# KiCad board GanJing 65 rev 2 hotswap-rounded.kicad_pcb (continued)
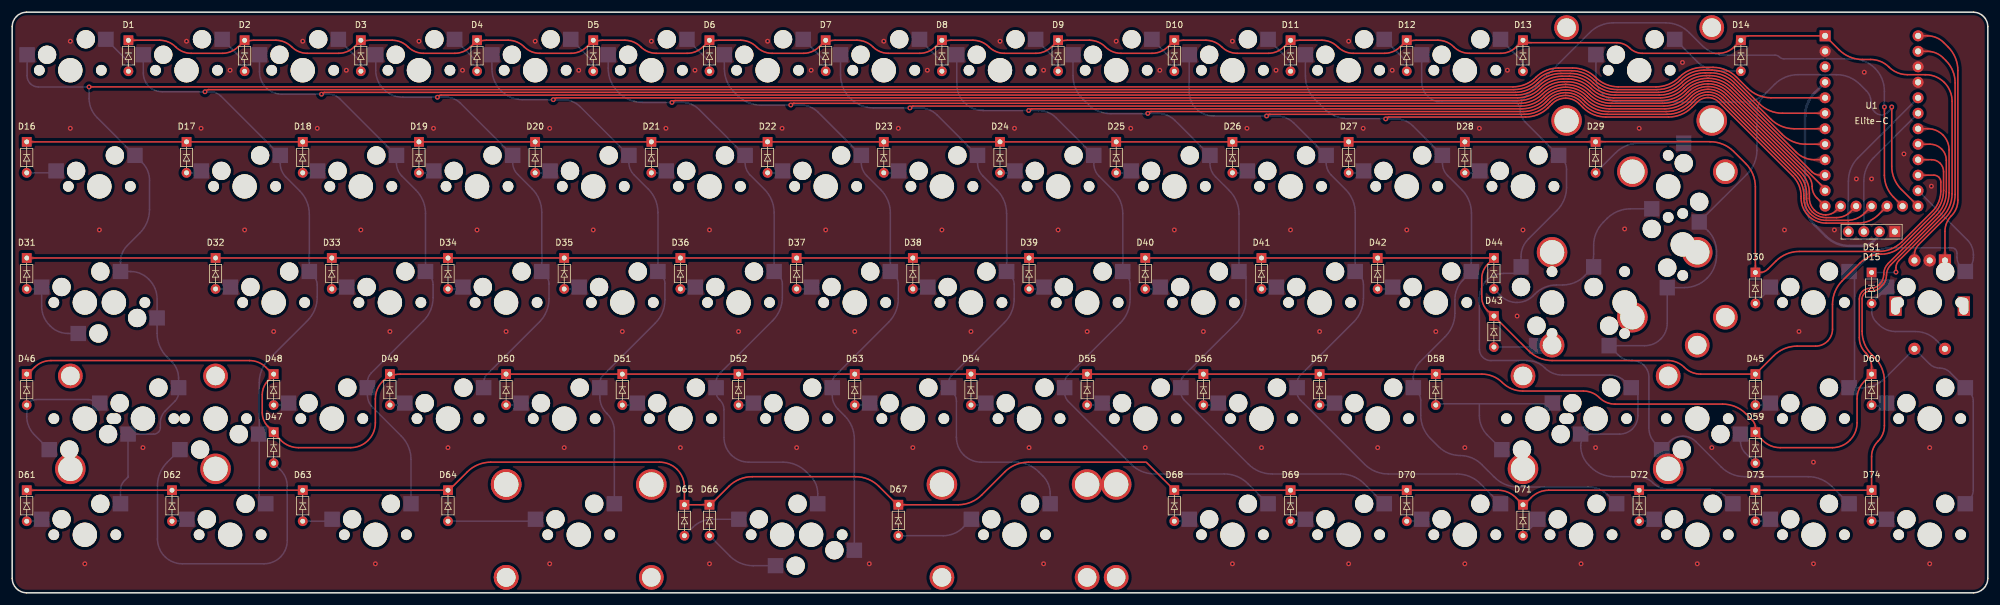
[diagram p0: board, top side]
## Routing (per net, layer and track width the routed paths; a pad name or vN(x,y) marks a point on that pad's centre or on a via; arc(x,y) is an arc through that point) (continued)
col_3: length 346.1
  Top w0.25: v1(50.7,81.8) 50.85,81.95 arc(51.02,82.06) 51.21,82.1 246.38,82.1 arc(248.41,82.5) 250.12,83.65 arc(251.84,84.8) 253.86,85.2 255.44,85.2 arc(257.46,84.8) 259.18,83.65 arc(260.89,82.5) 262.92,82.1 269.82,82.1 arc(271.9,82.51) 273.67,83.69 273.68,83.71 arc(275.44,84.89) 277.53,85.3 278.43,85.3 arc(280.51,84.89) 282.28,83.71 288.26,77.72 arc(290.02,76.54) 292.11,76.13 U1.7
  Bottom w0.25: 67.75,53.59 67.75,62.24 arc(67.34,64.32) 66.16,66.09 63.87,68.38 arc(63.22,69.35) 62.99,70.51 arc(62.76,71.66) 62.11,72.64 53.74,81.01 arc(52.86,81.59) 51.82,81.8 v1(50.7,81.8) 44.22,81.8 arc(42.81,82.08) 41.62,82.88 arc(40.82,84.07) 40.54,85.48 MX3.1 ; 65.37,14.6 65.37,21.87 arc(64.96,23.96) 63.78,25.72 59.07,30.43 arc(58.45,31.36) 58.23,32.46 58.23,32.77 ; 58.23,34.54 arc(58.39,35.36) 58.86,36.06 67.41,44.61 arc(68.59,46.37) 69,48.45 69,50.58 arc(68.84,51.39) 68.38,52.08
col_4: length 307.3
  Top w0.25: U1.8 294.01,73.59 arc(291.93,74) 290.16,75.18 282.09,83.26 arc(280.33,84.44) 278.24,84.85 277.71,84.85 arc(275.63,84.44) 273.87,83.26 273.85,83.24 arc(272.09,82.06) 270.01,81.65 262.73,81.65 arc(260.71,82.05) 258.99,83.2 arc(257.27,84.35) 255.25,84.75 254.05,84.75 arc(252.03,84.35) 250.31,83.2 arc(248.59,82.05) 246.57,81.65 70.3,81.65 arc(70.07,81.6) 69.87,81.47 v1(69.7,81.3)
  Bottom w0.25: 86.8,53.55 86.8,62.44 arc(86.39,64.52) 85.21,66.29 82.85,68.65 arc(82.25,69.55) 82.04,70.61 arc(81.83,71.67) 81.23,72.57 73.49,80.31 arc(72.39,81.04) 71.1,81.3 v1(69.7,81.3) 64.03,81.3 arc(62.33,81.64) 60.89,82.6 arc(59.93,84.04) 59.59,85.74 MX4.1 ; 87.4,52.11 arc(87.84,51.45) 88,50.66 88,48.25 arc(87.59,46.17) 86.41,44.41 77.85,35.85 arc(77.43,35.22) 77.28,34.47
col_5: length 308.2
  Top w0.25: v1(88.7,80.9) 88.85,81.05 arc(89.02,81.16) 89.21,81.2 246.75,81.2 arc(248.78,81.6) 250.5,82.75 arc(252.21,83.9) 254.24,84.3 255.06,84.3 arc(257.09,83.9) 258.8,82.75 arc(260.52,81.6) 262.55,81.2 270.19,81.2 arc(272.27,81.61) 274.04,82.79 274.05,82.81 arc(275.82,83.99) 277.9,84.4 278.06,84.4 arc(280.14,83.99) 281.9,82.81 292.42,72.29 arc(293.79,71.37) 295.42,71.05 U1.9
  Bottom w0.25: 96.33,32.91 96.33,32.12 arc(96.61,30.69) 97.42,29.49 97.52,29.38 arc(98.4,28.07) 98.71,26.51 98.71,14.6 ; 105.85,53.51 105.85,62.39 arc(105.44,64.47) 104.26,66.24 101.92,68.58 arc(101.31,69.5) 101.09,70.58 arc(100.88,71.67) 100.26,72.58 93.09,79.75 arc(91.82,80.6) 90.32,80.9 v1(88.7,80.9) 83.68,80.9 arc(81.75,81.28) 80.12,82.38 arc(79.02,84.01) 78.64,85.94 MX5.1 ; 96.33,34.41 arc(96.47,35.1) 96.86,35.69 105.41,44.23 arc(106.59,46) 107,48.08 107,50.75 arc(106.85,51.5) 106.43,52.13
col_6: length 301.4
  Top w0.25: U1.10 296.37,68.51 arc(295.63,68.66) 294.99,69.08 281.64,82.43 arc(279.96,83.56) 277.98,83.95 arc(276,83.56) 274.31,82.43 274.23,82.34 arc(272.46,81.16) 270.38,80.75 262.36,80.75 arc(260.33,81.15) 258.62,82.3 arc(256.9,83.45) 254.88,83.85 254.42,83.85 arc(252.4,83.45) 250.68,82.3 arc(248.97,81.15) 246.94,80.75 108.66,80.75 arc(108.47,80.71) 108.3,80.6 v1(108.15,80.45)
  Bottom w0.25: MX6.1 97.69,86.03 arc(98.1,83.97) 99.27,82.23 99.45,82.04 arc(101.22,80.86) 103.3,80.45 v1(108.15,80.45) 109.8,80.45 arc(111.32,80.14) 112.62,79.28 119.29,72.6 arc(119.92,71.66) 120.14,70.56 arc(120.36,69.45) 120.99,68.51 123.31,66.19 arc(124.49,64.42) 124.9,62.34 MX36.1 ; 132.05,14.6 132.05,16.29 arc(131.74,17.84) 130.86,19.16 130.18,19.84 arc(128.42,21.02) 126.33,21.43 120.75,21.43 arc(119.19,21.74) 117.87,22.62 arc(116.99,23.94) 116.68,25.5 116.68,30.04 arc(116.51,30.89) 116.03,31.61 115.87,31.76 arc(115.51,32.31) 115.38,32.96 ; 125.65,52.1 arc(126.09,51.44) 126.25,50.65 126.25,48.5 arc(125.84,46.42) 124.66,44.66 115.99,35.99 arc(115.54,35.31) 115.38,34.52
col_7: length 280.1
  Top w0.25: 297.18,66.26 281.33,82.11 arc(279.79,83.14) 277.98,83.5 arc(276.17,83.14) 274.63,82.11 274.41,81.89 arc(272.65,80.71) 270.56,80.3 262.17,80.3 arc(260.15,80.7) 258.43,81.85 arc(256.71,83) 254.69,83.4 254.61,83.4 arc(252.59,83) 250.87,81.85 arc(249.15,80.7) 247.13,80.3 128.1,80.3 arc(127.91,80.26) 127.76,80.16 v1(127.62,80.02)
  Bottom w0.25: MX37.1 143.95,62.29 arc(143.54,64.37) 142.36,66.14 140.06,68.44 arc(139.42,69.4) 139.19,70.53 arc(138.97,71.66) 138.33,72.62 132.09,78.86 arc(130.8,79.72) 129.27,80.02 v1(127.62,80.02) 127.61,80.01 arc(127.6,80) 127.58,80 122.75,80 arc(120.67,80.41) 118.9,81.59 118.33,82.16 arc(117.15,83.93) 116.74,86.01 MX7.1 ; 134.43,32.91 134.43,32.36 arc(134.67,31.17) 135.34,30.16 136.46,29.04 arc(137.64,27.27) 138.05,25.19 MX66.1 ; 134.43,34.41 arc(134.57,35.1) 134.96,35.69 143.66,44.38 arc(144.84,46.15) 145.25,48.23 145.25,50.65 arc(145.09,51.44) 144.65,52.1
col_8: length 265
  Top w0.25: v1(147.15,79.55) 147.3,79.7 arc(147.47,79.81) 147.66,79.85 247.31,79.85 arc(249.34,80.25) 251.05,81.4 251.16,81.5 arc(252.76,82.57) 254.65,82.95 arc(256.54,82.57) 258.14,81.5 258.25,81.4 arc(259.96,80.25) 261.99,79.85 270.75,79.85 arc(272.83,80.26) 274.6,81.44 274.95,81.8 arc(276.34,82.72) 277.98,83.05 arc(279.62,82.72) 281.01,81.8 294.27,68.53 arc(294.85,67.67) 295.05,66.66 arc(295.25,65.64) 295.83,64.78 U1.12
  Bottom w0.25: 163,53.59 163,62.24 arc(162.59,64.32) 161.41,66.09 159.12,68.38 arc(158.47,69.35) 158.24,70.51 arc(158.01,71.66) 157.36,72.64 151.62,78.38 arc(150.32,79.24) 148.8,79.55 v1(147.15,79.55) 141.18,79.55 arc(139.12,79.96) 137.37,81.13 arc(136.2,82.87) 135.79,84.94 MX8.1 ; 170.15,14.6 170.15,16.29 arc(169.84,17.84) 168.96,19.16 168.28,19.84 arc(166.52,21.02) 164.43,21.43 158.85,21.43 arc(157.29,21.74) 155.97,22.62 arc(155.09,23.94) 154.78,25.5 154.78,31.43 arc(154.61,32.28) 154.13,33 ; 153.48,34.41 arc(153.62,35.1) 154.01,35.69 162.66,44.33 arc(163.84,46.1) 164.25,48.18 164.25,50.58 arc(164.09,51.39) 163.63,52.08
col_9: length 261.7
  Top w0.25: U1.25 299,62.72 arc(298.21,62.19) 297.28,62 297.25,62 arc(296.28,62.19) 295.46,62.74 295.4,62.8 arc(294.81,63.69) 294.6,64.73 294.6,65.58 arc(294.24,67.42) 293.2,68.97 280.69,81.48 arc(279.45,82.31) 277.98,82.6 arc(276.51,82.31) 275.27,81.48 274.78,80.99 arc(273.02,79.81) 270.94,79.4 261.8,79.4 arc(259.78,79.8) 258.06,80.95 257.82,81.19 arc(256.37,82.16) 254.65,82.5 arc(252.93,82.16) 251.48,81.19 251.24,80.95 arc(249.52,79.8) 247.5,79.4 167.1,79.4 arc(166.91,79.36) 166.76,79.26 v1(166.62,79.12)
  Bottom w0.25: 182.05,53.55 182.05,62.19 arc(181.64,64.27) 180.46,66.04 178.19,68.31 arc(177.53,69.3) 177.29,70.48 arc(177.06,71.66) 176.39,72.66 171.09,77.96 arc(169.8,78.82) 168.27,79.12 v1(166.62,79.12) 159.16,79.12 arc(157.51,79.45) 156.11,80.39 arc(155.17,81.79) 154.84,83.44 MX9.1 ; 205.87,14.6 202.57,17.91 arc(200.8,19.09) 198.72,19.5 187.25,19.5 arc(185.17,19.91) 183.41,21.09 173.13,31.37 arc(172.68,32.03) 172.53,32.81 ; 172.53,34.41 arc(172.67,35.1) 173.06,35.69 181.66,44.28 arc(182.84,46.05) 183.25,48.13 183.25,50.66 arc(183.09,51.45) 182.65,52.11
col_10: length 244.6
  Top w0.25: v1(186.15,78.65) 186.3,78.8 arc(186.47,78.91) 186.66,78.95 247.69,78.95 arc(249.71,79.35) 251.43,80.5 251.8,80.87 arc(253.1,81.74) 254.65,82.05 arc(256.2,81.74) 257.5,80.87 257.87,80.5 arc(259.59,79.35) 261.61,78.95 271.12,78.95 arc(273.21,79.36) 274.97,80.54 275.59,81.16 arc(276.68,81.89) 277.98,82.15 arc(279.28,81.89) 280.37,81.16 292.75,68.79 arc(293.79,67.23) 294.15,65.4 294.15,64.73 arc(294.39,63.51) 295.08,62.48 arc(296.11,61.79) 297.33,61.55 299.05,61.55 arc(300.28,61.79) 301.32,62.49 U1.26
  Bottom w0.25: 202.25,51.75 202.25,48.08 arc(201.84,46) 200.66,44.23 192.11,35.69 arc(191.72,35.1) 191.58,34.41 ; 224.92,14.6 221.62,17.91 arc(219.85,19.09) 217.77,19.5 206.5,19.5 arc(204.42,19.91) 202.66,21.09 192.1,31.65 arc(191.72,32.23) 191.58,32.91 ; MX10.1 173.89,84.86 arc(174.3,82.78) 175.48,81.01 176.3,80.19 arc(178.07,79.01) 180.15,78.6 186.07,78.6 arc(186.1,78.61) 186.12,78.62 v1(186.15,78.65) 187.8,78.65 arc(189.32,78.34) 190.62,77.48 195.42,72.67 arc(196.1,71.66) 196.34,70.46 arc(196.58,69.26) 197.26,68.24 199.51,65.99 arc(200.69,64.22) 201.1,62.14 MX40.1
col_11: length 229.7
  Top w0.25: v1(205.62,78.22) 205.76,78.36 arc(205.91,78.46) 206.1,78.5 247.87,78.5 arc(249.9,78.9) 251.61,80.05 252.11,80.55 arc(253.28,81.33) 254.65,81.6 arc(256.02,81.33) 257.19,80.55 257.69,80.05 arc(259.4,78.9) 261.43,78.5 271.31,78.5 arc(273.39,78.91) 275.16,80.09 275.9,80.84 arc(276.86,81.48) 277.98,81.7 arc(279.1,81.48) 280.06,80.84 292.3,68.6 arc(293.34,67.05) 293.7,65.21 293.7,64.73 arc(293.98,63.34) 294.76,62.16 arc(295.94,61.38) 297.33,61.1 300.82,61.1 arc(302.34,61.4) 303.63,62.26 U1.27
  Bottom w0.25: 243.97,14.6 240.67,17.91 arc(238.9,19.09) 236.82,19.5 225.54,19.5 arc(223.46,19.91) 221.69,21.09 211.16,31.62 arc(210.77,32.21) 210.63,32.91 ; MX11.1 192.94,82.2 arc(193.24,80.68) 194.11,79.39 arc(195.4,78.53) 196.92,78.22 v1(205.62,78.22) 207.27,78.22 arc(208.8,77.92) 210.09,77.06 214.54,72.6 arc(215.17,71.66) 215.39,70.56 arc(215.61,69.45) 216.24,68.51 218.56,66.19 arc(219.74,64.42) 220.15,62.34 MX41.1 ; 220.9,52.1 arc(221.34,51.44) 221.5,50.65 221.5,48.28 arc(221.09,46.2) 219.91,44.43 211.16,35.69 arc(210.77,35.1) 210.63,34.41
col_12: length 212.6
  Top w0.25: v1(225.15,77.75) 225.3,77.9 arc(225.47,78.01) 225.66,78.05 248.06,78.05 arc(250.08,78.45) 251.8,79.6 252.43,80.23 arc(253.45,80.91) 254.65,81.15 arc(255.85,80.91) 256.87,80.23 257.5,79.6 arc(259.22,78.45) 261.24,78.05 271.5,78.05 arc(273.58,78.46) 275.34,79.64 276.22,80.52 arc(277.03,81.06) 277.98,81.25 arc(278.93,81.06) 279.74,80.52 291.85,68.41 arc(292.89,66.86) 293.25,65.03 293.25,64.73 arc(293.56,63.17) 294.45,61.85 arc(295.77,60.96) 297.33,60.65 302.59,60.65 arc(304.41,61.01) 305.95,62.04 U1.28
  Bottom w0.25: MX12.1 211.99,84.76 arc(212.4,82.68) 213.58,80.91 215.1,79.39 arc(216.87,78.21) 218.95,77.8 225.06,77.8 arc(225.09,77.79) 225.12,77.77 v1(225.15,77.75) 226.8,77.75 arc(228.32,77.44) 229.62,76.58 233.58,72.62 arc(234.22,71.66) 234.44,70.53 arc(234.67,69.4) 235.31,68.44 237.61,66.14 arc(238.79,64.37) 239.2,62.29 239.2,54.62 arc(238.85,52.85) 237.85,51.35 arc(236.85,49.85) 236.49,48.08 236.49,45.87 arc(236.08,43.78) 234.9,42.02 230.79,37.91 arc(229.97,36.68) 229.68,35.23 229.68,34.51 ; 263.02,14.6 261.64,15.99 arc(260.11,17.01) 258.3,17.37 246.82,17.37 arc(244.74,17.78) 242.98,18.96 240.88,21.06 arc(239.26,22.14) 237.34,22.52 arc(235.43,22.9) 233.81,23.99 232.49,25.31 arc(231.31,27.07) 230.89,29.15 230.89,31.58 arc(230.74,32.38) 230.29,33.05
col_13: length 232.9
  Top w0.25: U1.29 308.39,64.92 arc(307.29,66.57) 306.9,68.52 v1(306.9,79.7)
  Bottom w0.25: 245.97,80.5 234.38,80.5 arc(233.1,80.75) 232.02,81.48 arc(231.29,82.56) 231.04,83.84 MX13.1 ; 245.97,80.5 arc(246.83,80.14) 247.19,79.28 ; 245.97,80.5 arc(247.09,80.72) 248.05,81.36 ; 266.49,32.56 266.49,29.05 arc(266.26,27.9) 265.61,26.92 arc(264.63,26.26) 263.48,26.03 259,26.03 arc(257.67,25.48) 257.12,24.16 arc(257.46,22.42) 258.44,20.95 258.75,20.64 arc(260.52,19.46) 262.6,19.05 266.49,19.05 arc(267.83,18.78) 268.97,18.03 arc(270.1,17.27) 271.44,17 277.98,17 arc(279.54,16.69) 280.87,15.8 282.07,14.6 ; 252.84,72.41 248.05,77.2 arc(247.41,78.15) 247.19,79.28 ; 246.27,52.4 244.5,52.4 arc(242.97,52.1) 241.68,51.23 arc(240.81,49.93) 240.51,48.4 240.51,39.96 arc(240.65,39.25) 241.05,38.64 arc(241.65,38.24) 242.36,38.1 248.35,38.1 arc(249.9,37.79) 251.22,36.91 arc(252.54,36.03) 254.1,35.72 261.88,35.72 arc(263.22,35.45) 264.37,34.69 ; v1(306.9,79.7) 306.9,82.31 arc(306.5,84.33) 305.35,86.05 arc(303.63,87.2) 301.61,87.6 290.42,87.6 arc(290.03,87.68) 289.69,87.9 arc(289.36,88.12) 288.97,88.2 280.85,88.2 arc(278.77,88.61) 277.01,89.79 274.89,91.91 arc(273.13,93.09) 271.05,93.5 262.44,93.5 arc(260.36,93.09) 258.59,91.91 248.05,81.36 ; 248.05,81.36 arc(247.41,80.41) 247.19,79.28 ; MX43.1 247.33,55.15 arc(247.64,56.7) 248.52,58.02 253.2,62.7 arc(254.38,64.47) 254.79,66.55 254.79,69.53 arc(254.62,70.38) 254.14,71.1
col_14: length 195.6
  Top w0.25: v1(308.1,79.7) 308.1,70 arc(308.51,67.92) 309.69,66.16 U1.13
  Bottom w0.25: 261.78,40.51 263.31,38.99 arc(264.29,38.33) 265.45,38.1 265.57,38.1 arc(266.61,37.89) 267.5,37.3 arc(268.09,36.42) 268.29,35.38 268.29,27.06 arc(268.57,25.7) 269.34,24.54 ; MX44.1 267.61,40.54 arc(269.02,40.82) 270.22,41.62 arc(271.02,42.82) 271.3,44.23 MX76.1 274.09,50.06 arc(276.12,50.47) 277.83,51.62 arc(278.98,53.33) 279.38,55.36 279.38,55.98 arc(279.01,57.84) 277.96,59.41 MX29.1 284.4,68.69 arc(285.58,70.46) 285.99,72.54 285.99,78.5 ; 285.99,78.5 arc(285.33,79.91) 283.74,80.5 ; 285.99,78.5 arc(286.41,80.39) 287.59,82.09 ; 283.74,80.5 263.68,80.5 arc(262.12,80.81) 260.8,81.69 arc(259.92,83.01) 259.61,84.56 MX14.1 ; 283.74,80.5 arc(285.82,80.91) 287.59,82.09 ; 301.12,14.6 298.27,17.46 arc(296.5,18.64) 294.42,19.05 284,19.05 arc(281.92,19.46) 280.15,20.64 275.98,24.81 arc(275,25.47) 273.84,25.7 arc(272.68,25.47) 271.7,24.81 271.43,24.54 ; 287.59,82.09 288.9,83.41 arc(290.67,84.59) 292.75,85 299.05,85 arc(301.13,84.59) 302.89,83.41 303.96,82.34 arc(304.51,81.52) 304.7,80.55 304.7,80.28 arc(304.84,79.56) 305.25,78.95 305.38,78.82 arc(305.85,78.51) 306.4,78.4 arc(306.95,78.51) 307.42,78.82 308.03,79.43 arc(308.08,79.51) 308.1,79.6 v1(308.1,79.7)
col_15: length 96
  Bottom w0.25: 302,34.54 302,51.82 ; 319.52,34.31 317.66,36.17 arc(316.88,36.68) 315.97,36.86 arc(315.06,37.05) 314.29,37.56 311.82,40.03 306.99,35.19 arc(305.29,34.05) 303.29,33.66 MX45.1 ; U1.14 320.48,57.91 arc(321.23,56.79) 321.49,55.46 321.49,54.97 arc(321.32,54.1) 320.83,53.37 ; 301.9,52.71 304.2,55.01 arc(305.97,56.19) 308.05,56.6 317.94,56.6 arc(318.27,56.54) 318.54,56.35 arc(318.73,56.07) 318.79,55.75 318.79,55.05 arc(318.97,54.15) 319.48,53.39 ; 320.82,15.26 arc(321.3,15.98) 321.47,16.83 321.47,31.43 arc(321.3,32.28) 320.82,33
rotory_1: length 41.5
  Top w0.25: U1.24 313.97,91.37 arc(315.41,91.08) 316.62,90.27 317.35,89.54 arc(318.53,87.78) 318.94,85.7 318.94,64.4 arc(318.67,63.02) 317.88,61.85 arc(317.1,60.67) 316.82,59.29 316.82,54.58
rotory_2: length 40.7
  Top w0.25: SW1.B 311.82,55.47 arc(312,56.35) 312.5,57.1 316.9,61.5 arc(318.08,63.26) 318.49,65.35 318.49,83.66 arc(318.1,85.64) 316.98,87.31 316.54,87.75 arc(315.35,88.55) 313.94,88.83 U1.23
row_1: length 353
  Top w0.25: v1(308.79,52.6) 308.79,53.31 arc(308.93,53.97) 309.3,54.53 316.4,61.63 arc(317.58,63.4) 317.99,65.48 317.99,80.65 arc(317.66,82.31) 316.72,83.72 arc(315.31,84.67) 313.64,85 310.66,85 arc(309.03,85.32) 307.65,86.25 arc(306.27,87.17) 304.65,87.49 303.31,87.49 arc(301.23,87.91) 299.46,89.09 U1.1 284.6,91.37 arc(284.13,91.28) 283.73,91.01 ; D1.1 24.19,90.65 arc(25.59,90.37) 26.78,89.57 arc(27.97,88.78) 29.37,88.5 34.44,88.5 arc(35.84,88.78) 37.03,89.57 arc(38.22,90.37) 39.62,90.65 43.21,90.65 arc(44.61,90.37) 45.8,89.57 arc(46.99,88.78) 48.39,88.5 53.49,88.5 arc(54.89,88.78) 56.08,89.57 arc(57.27,90.37) 58.67,90.65 62.29,90.65 arc(63.69,90.37) 64.88,89.57 arc(66.07,88.78) 67.47,88.5 72.54,88.5 arc(73.94,88.78) 75.13,89.57 arc(76.32,90.37) 77.72,90.65 81.33,90.65 arc(82.73,90.37) 83.92,89.57 arc(85.11,88.78) 86.51,88.5 91.59,88.5 arc(92.99,88.78) 94.18,89.57 arc(95.37,90.37) 96.77,90.65 100.44,90.65 arc(101.84,90.37) 103.03,89.57 arc(104.22,88.78) 105.62,88.5 110.64,88.5 arc(112.04,88.78) 113.23,89.57 arc(114.42,90.37) 115.82,90.65 119.41,90.65 arc(120.81,90.37) 122,89.57 arc(123.19,88.78) 124.59,88.5 129.69,88.5 arc(131.09,88.78) 132.28,89.57 arc(133.47,90.37) 134.87,90.65 138.49,90.65 arc(139.89,90.37) 141.08,89.57 arc(142.27,88.78) 143.67,88.5 148.74,88.5 arc(150.14,88.78) 151.33,89.57 arc(152.52,90.37) 153.92,90.65 157.5,90.65 arc(158.9,90.37) 160.09,89.57 arc(161.28,88.78) 162.68,88.5 167.79,88.5 arc(169.19,88.78) 170.38,89.57 arc(171.57,90.37) 172.97,90.65 176.59,90.65 arc(177.99,90.37) 179.18,89.57 arc(180.37,88.78) 181.77,88.5 186.84,88.5 arc(188.24,88.78) 189.43,89.57 arc(190.62,90.37) 192.02,90.65 195.66,90.65 arc(197.06,90.37) 198.25,89.57 arc(199.44,88.78) 200.84,88.5 205.89,88.5 arc(207.29,88.78) 208.48,89.57 arc(209.67,90.37) 211.07,90.65 214.69,90.65 arc(216.09,90.37) 217.28,89.57 arc(218.47,88.78) 219.87,88.5 224.94,88.5 arc(226.34,88.78) 227.53,89.57 arc(228.72,90.37) 230.12,90.65 233.71,90.65 arc(235.11,90.37) 236.3,89.57 arc(237.49,88.78) 238.89,88.5 243.99,88.5 arc(245.39,88.78) 246.58,89.57 D13.1 ; 283.01,90.28 282.3,89.57 arc(281.11,88.78) 279.7,88.5 267.25,88.5 arc(266.11,88.73) 265.14,89.38 arc(264.17,90.02) 263.03,90.25 248.05,90.25
  Bottom w0.25: D15.1 308.7,52.55 arc(308.74,52.55) 308.77,52.57 v1(308.79,52.6)
row_2: length 343.2
  Top w0.25: D16.1 D29.1 ; U1.15 315.02,68.51 arc(315.45,68.42) 315.82,68.18 arc(316.06,67.81) 316.15,67.38 316.15,65.9 arc(315.79,64.1) 314.77,62.58 309.79,57.59 arc(308.02,56.41) 305.94,56 292.95,56 arc(290.87,55.59) 289.11,54.41 287.78,53.08 arc(287.19,52.68) 286.5,52.55 arc(285.97,52.77) 285.75,53.29 285.75,66.59 arc(285.34,68.67) 284.16,70.44 282.19,72.41 arc(280.42,73.59) 278.34,74 259.58,74
row_3: length 353.6
  Top w0.25: D31.1 D44.1 241.89,53.93 arc(241.15,52.83) 240.89,51.52 240.89,48.54 arc(241.13,47.34) 241.81,46.32 242.73,45.4 ; U1.16 314.64,71.05 arc(315.39,70.9) 316.02,70.48 arc(316.45,69.84) 316.6,69.09 316.6,66.02 arc(316.19,63.94) 315.01,62.18 309.8,56.97 arc(308.23,55.92) 306.36,55.55 arc(304.5,55.18) 302.93,54.13 299.99,51.19 arc(298.81,49.42) 298.39,47.34 298.39,43.24 arc(298.18,42.18) 297.58,41.28 arc(296.68,40.68) 295.62,40.47 292.6,40.47 arc(290.52,40.06) 288.75,38.88 D45.1 276.79,35.88 arc(275.34,36.17) 274.1,36.99 arc(272.87,37.81) 271.42,38.1 252.44,38.1 arc(250.36,38.51) 248.6,39.69 D43.1
row_4: length 385.1
  Top w0.25: 304.8,35.72 304.8,37.06 arc(304.55,38.3) 303.85,39.35 303.8,39.4 arc(303.05,40.51) 302.79,41.82 302.79,48.22 arc(302.93,48.88) 303.3,49.44 arc(303.86,49.82) 304.53,49.95 304.63,49.95 arc(305.39,50.1) 306.03,50.53 306.12,50.62 arc(306.62,51.37) 306.79,52.24 306.79,52.3 arc(306.98,53.22) 307.5,54.01 315.46,61.96 arc(316.64,63.73) 317.05,65.81 317.05,70.93 arc(316.85,71.95) 316.27,72.81 arc(315.41,73.39) 314.39,73.59 U1.17 ; D59.1 285.75,27.09 arc(285.61,27.77) 285.23,28.34 284.18,29.39 arc(282.45,30.55) 280.4,30.96 262.75,30.96 arc(261.35,31.23) 260.17,32.03 arc(258.98,32.82) 257.58,33.1 247.63,33.1 arc(245.81,33.46) 244.28,34.49 arc(242.74,35.52) 240.92,35.88 63.6,35.88 arc(62.04,35.57) 60.72,34.69 arc(59.84,33.37) 59.53,31.81 59.53,27.88 arc(59.22,26.32) 58.34,25 arc(57.02,24.12) 55.47,23.81 46.93,23.81 arc(45.37,24.12) 44.05,25 42.86,26.19 ; 42.86,35.72 41.93,34.78 arc(41.24,33.75) 40.99,32.53 40.99,29.54 arc(41.24,28.32) 41.93,27.29 D47.1 ; 42.7,35.88 41.59,36.99 arc(40.36,37.81) 38.91,38.1 6.33,38.1 arc(4.88,37.81) 3.65,36.99 2.54,35.88 ; D60.1 303.61,34.69 arc(302.73,33.37) 302.42,31.81 302.42,27.88 arc(302.11,26.32) 301.23,25 arc(299.91,24.12) 298.35,23.81 289.82,23.81 arc(288.26,24.12) 286.94,25 285.75,26.19
row_5: length 388.7
  Top w0.25: D61.1 71.6,16.83 74.61,19.84 arc(76.37,21.02) 78.45,21.43 106.13,21.43 arc(107.68,21.12) 109,20.24 arc(109.88,18.92) 110.19,17.37 D65.1 D66.1 ; D71.1 246.46,15.64 arc(245.14,16.52) 243.58,16.83 D68.1 185.9,21.43 ; 247.81,14.45 249,15.64 arc(250.32,16.52) 251.87,16.83 D74.1 304.8,22.33 arc(305.07,23.7) 305.85,24.86 arc(306.63,26.03) 306.9,27.4 306.9,34.75 arc(306.49,36.83) 305.31,38.59 304.84,39.06 arc(303.66,40.83) 303.24,42.91 303.24,48.22 arc(303.34,48.71) 303.62,49.12 arc(304.03,49.4) 304.52,49.5 304.82,49.5 arc(305.57,49.65) 306.22,50.08 306.53,50.4 arc(307.06,51.18) 307.24,52.11 arc(307.43,53.04) 307.95,53.82 315.91,61.78 arc(317.09,63.54) 317.5,65.62 317.5,72.66 arc(317.24,73.99) 316.48,75.11 arc(315.36,75.87) 314.03,76.13 U1.18 ; D67.1 155.07,14.45 arc(157.15,14.86) 158.92,16.04 162.71,19.84 arc(164.48,21.02) 166.56,21.43 185.74,21.43 ; 145.1,14.45 142.09,17.46 arc(140.32,18.64) 138.24,19.05 121.32,19.05 arc(119.23,18.64) 117.47,17.46 114.46,14.45
S2: length 19.3
  Bottom w0.25: 307.24,49.91 305.61,48.28 arc(305.01,47.38) 304.8,46.32 arc(305.01,45.26) 305.61,44.37 305.96,44.02 arc(307.24,43.16) 308.75,42.86 311.98,42.86 arc(313.83,42.49) 315.41,41.44 SW1.S2
SCL: length 22.9
  Bottom w0.25: U1.19 305.12,71.37 arc(303.94,69.61) 303.53,67.53 DS1.3
SDA: length 26.4
  Bottom w0.25: 301,59.26 301,67.54 arc(301.41,69.62) 302.59,71.38 U1.20
Net-(D1-Pad2): length 6.7
  Bottom w0.25: MX1.2 18.5,87.67 arc(18.91,87.06) 19.05,86.34 D1.2
Net-(D2-Pad2): length 6.7
  Bottom w0.25: D2.2 38.1,86.34 arc(37.96,87.06) 37.55,87.67 MX2.2
Net-(D3-Pad2): length 6.7
  Bottom w0.25: MX3.2 56.6,87.67 arc(57.01,87.06) 57.15,86.34 D3.2
Net-(D4-Pad2): length 6.7
  Bottom w0.25: MX4.2 75.65,87.67 arc(76.06,87.06) 76.2,86.34 D4.2
Net-(D5-Pad2): length 6.7
  Bottom w0.25: MX5.2 94.7,87.67 arc(95.11,87.06) 95.25,86.34 D5.2
Net-(D6-Pad2): length 6.7
  Bottom w0.25: D6.2 114.3,86.34 arc(114.16,87.06) 113.75,87.67 MX6.2
Net-(D7-Pad2): length 6.7
  Bottom w0.25: D7.2 133.35,86.34 arc(133.21,87.06) 132.8,87.67 MX7.2
Net-(D8-Pad2): length 6.7
  Bottom w0.25: MX8.2 151.85,87.67 arc(152.26,87.06) 152.4,86.34 D8.2
Net-(D9-Pad2): length 6.7
  Bottom w0.25: D9.2 171.45,86.34 arc(171.31,87.06) 170.9,87.67 MX9.2
Net-(D10-Pad2): length 6.7
  Bottom w0.25: D10.2 190.5,86.34 arc(190.36,87.06) 189.95,87.67 MX10.2
Net-(D11-Pad2): length 6.7
  Bottom w0.25: D11.2 209.55,86.34 arc(209.41,87.06) 209,87.67 MX11.2
Net-(D12-Pad2): length 6.7
  Bottom w0.25: MX12.2 228.05,87.67 arc(228.46,87.06) 228.6,86.34 D12.2
Net-(D13-Pad2): length 6.7
  Bottom w0.25: MX13.2 247.1,87.67 arc(247.51,87.06) 247.65,86.34 D13.2
Net-(D14-Pad2): length 12.8
  Bottom w0.25: D14.2 280.03,85.57 arc(277.95,85.98) 276.19,87.16 MX14.2
Net-(D16-Pad2): length 4.5
  Bottom w0.25: D16.2 6.88,68.9
Net-(D17-Pad2): length 2.1
  Bottom w0.25: D17.2 30.7,68.9
Net-(D18-Pad2): length 2.1
  Bottom w0.25: D18.2 49.75,68.9
Net-(D19-Pad2): length 2.1
  Bottom w0.25: D19.2 68.8,68.9
Net-(D20-Pad2): length 2.1
  Bottom w0.25: D20.2 87.85,68.9
Net-(D21-Pad2): length 2.1
  Bottom w0.25: D21.2 106.9,68.9
Net-(D22-Pad2): length 2.1
  Bottom w0.25: D22.2 125.95,68.9
Net-(D23-Pad2): length 2.1
  Bottom w0.25: D23.2 145,68.9
Net-(D24-Pad2): length 2.1
  Bottom w0.25: D24.2 164.05,68.9
Net-(D25-Pad2): length 2.1
  Bottom w0.25: D25.2 183.1,68.9
Net-(D26-Pad2): length 2.1
  Bottom w0.25: D26.2 202.15,68.9
Net-(D27-Pad2): length 2.1
  Bottom w0.25: D27.2 221.2,68.9
Net-(D28-Pad2): length 2.1
  Bottom w0.25: D28.2 240.25,68.9
Net-(D29-Pad2): length 16.2
  Bottom w0.25: MX29.2 266.67,73.76 arc(264.59,73.35) 262.82,72.17 D29.2
Net-(D30-Pad2): length 3.5
  Bottom w0.25: D30.2 288.19,49.91
Net-(D31-Pad2): length 13.8
  Bottom w0.25: D31.2 4.5,49.85 ; MX75.2 4.82,47.05 arc(5.16,45.33) 6.14,43.87 6.27,43.73 arc(7.59,42.85) 9.14,42.54 MX31.2
Net-(D32-Pad2): length 2.1
  Bottom w0.25: D32.2 35.46,49.85
Net-(D33-Pad2): length 2.1
  Bottom w0.25: D33.2 54.51,49.85
Net-(D34-Pad2): length 2.1
  Bottom w0.25: D34.2 73.56,49.85
Net-(D35-Pad2): length 2.1
  Bottom w0.25: D35.2 92.61,49.85
Net-(D36-Pad2): length 2.1
  Bottom w0.25: D36.2 111.66,49.85
Net-(D37-Pad2): length 2.1
  Bottom w0.25: D37.2 130.71,49.85
Net-(D38-Pad2): length 2.1
  Bottom w0.25: D38.2 149.76,49.85
Net-(D39-Pad2): length 2.1
  Bottom w0.25: D39.2 168.81,49.85
Net-(D40-Pad2): length 2.1
  Bottom w0.25: D40.2 187.86,49.85
Net-(D41-Pad2): length 2.1
  Bottom w0.25: D41.2 206.91,49.85
Net-(D42-Pad2): length 2.1
  Bottom w0.25: D42.2 225.96,49.85
Net-(D43-Pad2): length 6.8
  Bottom w0.25: D43.2 249.66,40.32
Net-(D44-Pad2): length 35.1
  Bottom w0.25: MX76.2 265.27,62.99 arc(263.19,62.58) 261.42,61.4 260.83,60.81 arc(259.65,59.04) 259.24,56.96 259.24,55.56 arc(258.85,53.63) 257.76,51.98 arc(256.11,50.89) 254.17,50.5 253.13,50.5 arc(251.25,50.13) 249.66,49.06 249.32,48.72 arc(248.1,47.91) 246.66,47.62 arc(245.23,47.91) 244.01,48.72 D44.2
Net-(D45-Pad2): length 2.1
  Bottom w0.25: D45.2 287.87,30.8
Net-(D46-Pad2): length 19
  Bottom w0.25: 2.38,30.16 2.38,28.99 arc(2.71,27.32) 3.66,25.9 6.06,23.5 ; 2.83,31.25 arc(3.33,31.58) 3.92,31.7 12.49,31.7 arc(13.08,31.58) 13.58,31.25
Net-(D47-Pad2): length 55.2
  Bottom w0.25: 27.5,23.5 25.41,21.41 arc(24.23,19.64) 23.81,17.56 23.81,8.83 arc(24.12,7.27) 25,5.95 arc(26.32,5.07) 27.88,4.76 41.29,4.76 arc(42.74,5.05) 43.97,5.87 arc(44.8,7.1) 45.09,8.56 45.09,17.48 arc(44.8,18.93) 43.97,20.16 D47.2
Net-(D48-Pad2): length 2.1
  Bottom w0.25: D48.2 44.98,30.8
Net-(D49-Pad2): length 2.1
  Bottom w0.25: D49.2 64.03,30.8
Net-(D50-Pad2): length 2.1
  Bottom w0.25: D50.2 83.09,30.8
Net-(D51-Pad2): length 2.1
  Bottom w0.25: D51.2 102.14,30.8
Net-(D52-Pad2): length 2.1
  Bottom w0.25: D52.2 121.19,30.8
Net-(D53-Pad2): length 2.1
  Bottom w0.25: D53.2 140.24,30.8
Net-(D54-Pad2): length 2.1
  Bottom w0.25: D54.2 159.28,30.8
Net-(D55-Pad2): length 2.1
  Bottom w0.25: D55.2 178.34,30.8
Net-(D56-Pad2): length 2.1
  Bottom w0.25: D56.2 197.39,30.8
Net-(D57-Pad2): length 2.1
  Bottom w0.25: D57.2 216.44,30.8
Net-(D58-Pad2): length 27.7
  Bottom w0.25: 240.51,30.96 240.51,29.07 arc(240.85,27.32) 241.84,25.84 244.19,23.5 ; 252.47,31.01 233.58,31.01
Net-(D59-Pad2): length 5.7
  Bottom w0.25: D59.2 284.13,22.89 arc(283.52,23.8) 283.31,24.87 MX59.2
Net-(D60-Pad2): length 2
  Bottom w0.25: 304.8,30.64 306.76,30.64
Net-(D61-Pad2): length 2.1
  Bottom w0.25: D61.2 4.5,11.75
Net-(D62-Pad2): length 2.1
  Bottom w0.25: D62.2 28.32,11.75
Net-(D63-Pad2): length 4.5
  Bottom w0.25: D63.2 52.13,11.75
Net-(D64-Pad2): length 14
  Bottom w0.25: D64.2 85.47,11.75
Net-(D65-Pad2): length 9.8
  Bottom w0.25: MX65.2 114.8,12.06 arc(113.04,11.71) 111.54,10.72 D65.2
Net-(D66-Pad2): length 12.6
  Bottom w0.25: MX66.2 121.48,4.44 arc(119.39,4.86) 117.63,6.04 D66.2
Net-(D67-Pad2): length 12.9
  Bottom w0.25: D67.2 152.61,9.37 arc(154.38,9.72) 155.87,10.72 MX67.2
Net-(D68-Pad2): length 2.1
  Bottom w0.25: D68.2 192.62,11.75
Net-(D69-Pad2): length 2.1
  Bottom w0.25: D69.2 211.67,11.75
Net-(D70-Pad2): length 2.1
  Bottom w0.25: D70.2 230.72,11.75
Net-(D71-Pad2): length 3.5
  Bottom w0.25: D71.2 250.09,11.81
Net-(D72-Pad2): length 2.1
  Bottom w0.25: D72.2 268.82,11.75
Net-(D73-Pad2): length 2.1
  Bottom w0.25: D73.2 287.87,11.75
Net-(D74-Pad2): length 2.1
  Bottom w0.25: D74.2 306.92,11.75

## Copper pours and planes (outline as drawn; the poured copper is in the pictures)
GND on Top: 323.85,0 0,0 0,95.25 323.85,95.25
GND on Bottom: 323.85,0 0,0 0,95.25 323.85,95.25
VCC on Bottom: 304.56,57.08 304.84,57.24 305.07,57.39 305.27,57.53 305.43,57.66 305.58,57.79 305.72,57.92 305.87,58.05 306.04,58.18 306.24,58.31 306.49,58.45 306.21,59.68 305.18,59.13 305.2,58.9 305.22,58.68 305.21,58.49 305.18,58.31 305.13,58.14 305.05,57.98 304.93,57.84 304.78,57.7 304.6,57.56 304.37,57.43
VCC on Bottom: 296.06,82.34 296.21,82.48 296.35,82.59 296.48,82.66 296.61,82.71 296.73,82.74 296.86,82.76 296.99,82.79 297.14,82.81 297.3,82.85 297.48,82.9 297.5,84.07 296.33,84.05 296.28,83.87 296.24,83.71 296.22,83.56 296.19,83.43 296.17,83.3 296.14,83.18 296.09,83.05 296.02,82.92 295.91,82.78 295.77,82.63
col_1 on Top: 295.39,81.08 295.6,81.07 295.77,81.04 295.92,80.99 296.04,80.93 296.15,80.85 296.25,80.77 296.36,80.68 296.48,80.59 296.62,80.49 296.79,80.4 297.63,81.21 296.79,82.02 296.62,81.93 296.48,81.83 296.36,81.74 296.25,81.65 296.15,81.57 296.04,81.49 295.92,81.43 295.77,81.38 295.6,81.35 295.39,81.33
